# KiCad board RCP-FLEX.kicad_pcb
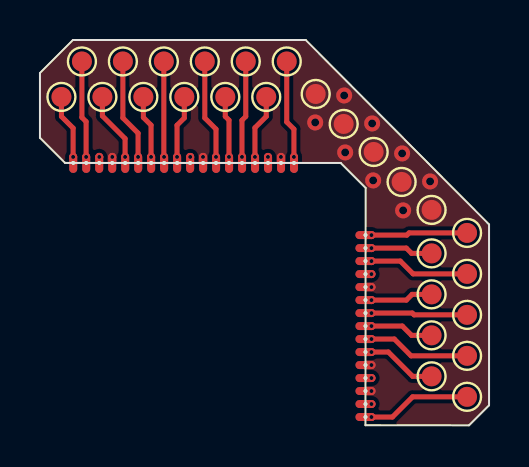
[diagram p0: board, top side]
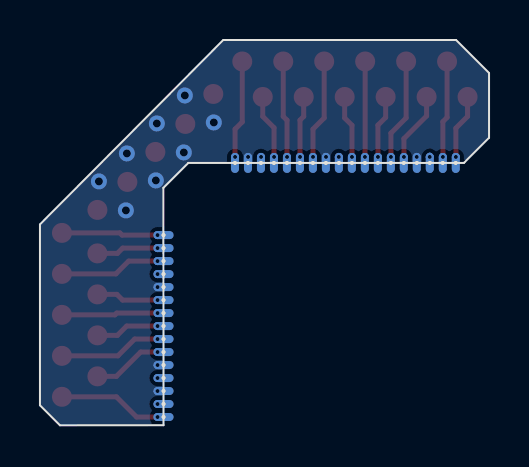
[diagram p1: board, bottom side, seen from below]

Outline 22.47 x 19.27 mm; copper layers: Top, Bottom. Coordinates in mm from the lower left corner of the outline.
Outline path: 1.25,13.13 0,14.38 0,17.62 1.65,19.27 13.3,19.27 22.47,10.05 22.47,1 21.47,0 16.29,0 16.3,11.88 15.05,13.12 1.25,13.12

## Placement (name value [footprint] x y rotation side)
TP1  Cart-3  [TestPoint_RCP-NUS]  1.66 13.12 0 top
TP2  Cart-28  [TestPoint_RCP-NUS]  2.31 13.12 0 top
TP3  3v3  [TestPoint_RCP-NUS]  2.97 13.12 0 top
TP4  GND  [TestPoint_RCP-NUS]  3.62 13.12 0 top
TP5  Cart-4  [TestPoint_RCP-NUS]  4.27 13.12 0 top
TP6  Cart-29  [TestPoint_RCP-NUS]  4.91 13.12 0 top
TP7  Cart-5  [TestPoint_RCP-NUS]  5.56 13.12 0 top
TP8  Cart-30  [TestPoint_RCP-NUS]  6.22 13.12 0 top
TP9  Cart-7  [TestPoint_RCP-NUS]  6.87 13.12 0 top
TP10  3v3  [TestPoint_RCP-NUS]  7.52 13.12 0 top
TP11  GND  [TestPoint_RCP-NUS]  8.16 13.12 0 top
TP12  Cart-32  [TestPoint_RCP-NUS]  8.81 13.12 0 top
TP13  Cart-8  [TestPoint_RCP-NUS]  9.47 13.12 0 top
TP14  Cart-33  [TestPoint_RCP-NUS]  10.12 13.12 0 top
TP15  Cart-10  [TestPoint_RCP-NUS]  10.77 13.12 0 top
TP16  3v3  [TestPoint_RCP-NUS]  11.41 13.12 0 top
TP17  GND  [TestPoint_RCP-NUS]  12.06 13.12 0 top
TP18  Cart-35  [TestPoint_RCP-NUS]  12.72 13.12 0 top
TP19  Cart-11  [TestPoint_RCP-NUS]  16.29 9.52 90 top
TP20  Cart-36  [TestPoint_RCP-NUS]  16.29 8.86 90 top
TP21  Cart-12  [TestPoint_RCP-NUS]  16.29 8.22 90 top
TP22  3v3  [TestPoint_RCP-NUS]  16.29 7.56 90 top
TP23  GND  [TestPoint_RCP-NUS]  16.29 6.92 90 top
TP24  Cart-37  [TestPoint_RCP-NUS]  16.29 6.27 90 top
TP25  Cart-15  [TestPoint_RCP-NUS]  16.29 5.61 90 top
TP26  Cart-40  [TestPoint_RCP-NUS]  16.29 4.97 90 top
TP27  Cart-16  [TestPoint_RCP-NUS]  16.29 4.31 90 top
TP28  Cart-41  [TestPoint_RCP-NUS]  16.29 3.67 90 top
TP29  GND  [TestPoint_RCP-NUS]  16.29 3.02 90 top
TP30  3v3  [TestPoint_RCP-NUS]  16.29 2.36 90 top
TP31  GND  [TestPoint_RCP-NUS]  16.29 1.72 90 top
TP32  3v3  [TestPoint_RCP-NUS]  16.29 1.06 90 top
TP33  Cart-20  [TestPoint_RCP-NUS]  16.29 0.42 90 top
TP34  TestPoint  [TestPoint_Pad_D1.0mm]  1.08 16.42 0 top
TP35  TestPoint  [TestPoint_Pad_D1.0mm]  2.1 18.2 0 top
TP38  TestPoint  [TestPoint_Pad_D1.0mm]  3.12 16.42 0 top
TP39  TestPoint  [TestPoint_Pad_D1.0mm]  4.15 18.2 0 top
TP40  TestPoint  [TestPoint_Pad_D1.0mm]  5.18 16.42 0 top
TP41  TestPoint  [TestPoint_Pad_D1.0mm]  6.2 18.2 0 top
TP42  TestPoint  [TestPoint_Pad_D1.0mm]  7.22 16.42 0 top
TP45  TestPoint  [TestPoint_Pad_D1.0mm]  8.25 18.2 0 top
TP46  TestPoint  [TestPoint_Pad_D1.0mm]  9.28 16.42 0 top
TP47  TestPoint  [TestPoint_Pad_D1.0mm]  10.3 18.2 0 top
TP48  TestPoint  [TestPoint_Pad_D1.0mm]  11.33 16.42 0 top
TP51  TestPoint  [TestPoint_Pad_D1.0mm]  19.6 10.78 0 top
TP51#2  TestPoint  [TestPoint_Pad_D1.0mm]  15.2 15.08 0 top
TP51#3  TestPoint  [TestPoint_Pad_D1.0mm]  16.7 13.67 0 top
TP51#4  TestPoint  [TestPoint_Pad_D1.0mm]  13.8 16.58 0 top
TP51#5  TestPoint  [TestPoint_Pad_D1.0mm]  18.1 12.17 0 top
TP51#6  TestPoint  [TestPoint_Pad_D1.0mm]  12.35 18.2 0 top
TP52  TestPoint  [TestPoint_Pad_D1.0mm]  21.38 9.62 0 top
TP53  TestPoint  [TestPoint_Pad_D1.0mm]  19.6 8.6 0 top
TP54  TestPoint  [TestPoint_Pad_D1.0mm]  21.38 7.58 0 top
TP57  TestPoint  [TestPoint_Pad_D1.0mm]  19.6 6.55 0 top
TP58  TestPoint  [TestPoint_Pad_D1.0mm]  21.38 5.53 0 top
TP59  TestPoint  [TestPoint_Pad_D1.0mm]  19.6 4.5 0 top
TP60  TestPoint  [TestPoint_Pad_D1.0mm]  21.38 3.47 0 top
TP61  TestPoint  [TestPoint_Pad_D1.0mm]  19.6 2.45 0 top
TP66  TestPoint  [TestPoint_Pad_D1.0mm]  21.38 1.42 0 top

## Library data of the parts
TP1-TP35 TP38-TP42 TP45-TP48 TP51 TP51#2-TP51#6 TP52-TP54 TP57-TP61 TP66 = -: Description: test point

## Footprints (pads in the part's own frame, mm; a bottom-side part is the same pattern mirrored in y, then rotated)
TestPoint_Pad_D1.0mm
  round 1 smd: 1(0,0)
TestPoint_RCP-NUS
  oval 0.4x1 hole 0.2: 1(0,0)

## Nets
GND: TP4.1 TP11.1 TP17.1 TP23.1 TP29.1 TP31.1 TP51.1 TP51#2.1 TP51#3.1 TP51#4.1 TP51#5.1
Net-(TP1-Pad1): TP1.1 TP34.1
Net-(TP2-Pad1): TP2.1 TP35.1
Net-(TP12-Pad1): TP12.1 TP45.1
Net-(TP13-Pad1): TP13.1 TP46.1
Net-(TP14-Pad1): TP14.1 TP47.1
Net-(TP15-Pad1): TP15.1 TP48.1
Net-(TP18-Pad1): TP18.1 TP51#6.1
Net-(TP19-Pad1): TP19.1 TP52.1
Net-(TP20-Pad1): TP20.1 TP53.1
Net-(TP21-Pad1): TP21.1 TP54.1
Net-(TP24-Pad1): TP24.1 TP57.1
Net-(TP25-Pad1): TP25.1 TP58.1
Net-(TP26-Pad1): TP26.1 TP59.1
Net-(TP27-Pad1): TP27.1 TP60.1
Net-(TP28-Pad1): TP28.1 TP61.1
Net-(TP33-Pad1): TP33.1 TP66.1
Net-(TP38-Pad1): TP5.1 TP38.1
Net-(TP39-Pad1): TP6.1 TP39.1
Net-(TP40-Pad1): TP7.1 TP40.1
Net-(TP41-Pad1): TP8.1 TP41.1
Net-(TP42-Pad1): TP9.1 TP42.1

Pads without a net: TP3 1; TP10 1; TP16 1; TP22 1; TP30 1; TP32 1

## Via types
v1: diameter 0.4, hole 0.2, Top to Bottom, 33 vias
v2: diameter 0.8, hole 0.4, Top to Bottom, 8 vias

## Routing (per net, layer and track width the routed paths; a pad name or vN(x,y) marks a point on that pad's centre or on a via; arc(x,y) is an arc through that point)
GND: length 1.8
  Top w0.25: TP11.1 8.16,13.42 v1(8.16,13.42) ; TP29.1 v1(16.59,3.02) ; v1(12.06,13.42) 12.06,13.42 TP17.1 ; TP23.1 v1(16.59,6.92) ; v1(3.62,13.42) 3.62,13.42 TP4.1 ; TP31.1 v1(16.59,1.72)
  vias: v2(13.78,15.15) v2(15.22,16.5) v2(15.28,13.65) v2(16.62,15.1) v2(16.68,12.25) v2(18.12,13.6) v2(18.18,10.75) v2(19.53,12.2)
Net-(TP1-Pad1): length 3.5
  Top w0.1: v1(1.66,13.42) 1.66,13.42 TP1.1
  Top w0.25: v1(1.66,13.42) 1.66,14.87 1.08,15.45 TP34.1
Net-(TP2-Pad1): length 5.2
  Top w0.1: v1(2.31,13.42) 2.31,13.42 TP2.1
  Top w0.25: v1(2.31,13.42) 2.31,15.19 2.1,15.4 TP35.1
Net-(TP12-Pad1): length 5.3
  Top w0.1: v1(8.81,13.42) 8.81,13.42 TP12.1
  Top w0.25: v1(8.81,13.42) 8.81,14.81 8.25,15.38 TP45.1
Net-(TP13-Pad1): length 3.4
  Top w0.1: v1(9.46,13.42) 9.47,13.42 TP13.1
  Top w0.25: TP46.1 9.28,15.45 9.46,15.27 v1(9.46,13.42)
Net-(TP14-Pad1): length 5.2
  Top w0.1: v1(10.11,13.42) 10.12,13.42 TP14.1
  Top w0.25: TP47.1 10.3,15.45 10.11,15.26 v1(10.11,13.42)
Net-(TP15-Pad1): length 3.5
  Top w0.1: TP15.1 10.77,13.42 v1(10.76,13.42)
  Top w0.25: TP48.1 11.33,15.45 10.76,14.88 v1(10.76,13.42)
Net-(TP18-Pad1): length 5.2
  Top w0.1: TP18.1 12.72,13.42 v1(12.71,13.42)
  Top w0.25: TP51#6.1 12.35,15.17 12.71,14.81 v1(12.71,13.42)
Net-(TP19-Pad1): length 5.1
  Top w0.1: TP19.1 v1(16.59,9.52)
  Top w0.25: TP52.1 18.47,9.62 18.37,9.52 v1(16.59,9.52)
Net-(TP20-Pad1): length 3.4
  Top w0.1: TP20.1 v1(16.59,8.86)
  Top w0.25: TP53.1 18.6,8.6 18.34,8.86 v1(16.59,8.86)
Net-(TP21-Pad1): length 5.4
  Top w0.1: TP21.1 v1(16.59,8.22)
  Top w0.25: TP54.1 18.68,7.58 18.03,8.22 v1(16.59,8.22)
Net-(TP24-Pad1): length 3.4
  Top w0.1: TP24.1 v1(16.59,6.27)
  Top w0.25: v1(16.59,6.27) 18.34,6.27 18.62,6.55 TP57.1
Net-(TP25-Pad1): length 5.1
  Top w0.1: TP25.1 v1(16.59,5.61)
  Top w0.25: TP58.1 18.72,5.53 18.64,5.61 v1(16.59,5.61)
Net-(TP26-Pad1): length 3.5
  Top w0.1: TP26.1 v1(16.59,4.97)
  Top w0.25: v1(16.59,4.97) 18.14,4.97 18.6,4.5 TP59.1
Net-(TP27-Pad1): length 5.4
  Top w0.1: TP27.1 v1(16.59,4.31)
  Top w0.25: TP60.1 18.58,3.47 17.74,4.31 v1(16.59,4.31)
Net-(TP28-Pad1): length 3.8
  Top w0.1: TP28.1 v1(16.59,3.67)
  Top w0.25: v1(16.59,3.67) 17.44,3.67 18.65,2.45 TP61.1
Net-(TP33-Pad1): length 5.5
  Top w0.1: TP33.1 v1(16.59,0.42)
  Top w0.25: v1(16.59,0.42) 17.64,0.42 18.65,1.42 TP66.1
Net-(TP38-Pad1): length 3.8
  Top w0.1: TP5.1 4.27,13.42 v1(4.26,13.42)
  Top w0.25: v1(4.26,13.42) 4.26,14.34 3.12,15.48 TP38.1
Net-(TP39-Pad1): length 5.4
  Top w0.1: v1(4.91,13.42) 4.91,13.42 TP6.1
  Top w0.25: TP39.1 4.15,15.38 4.91,14.62 v1(4.91,13.42)
Net-(TP40-Pad1): length 3.5
  Top w0.1: TP7.1 5.56,13.42 v1(5.56,13.42)
  Top w0.25: TP40.1 5.18,15.4 5.56,15.02 v1(5.56,13.42)
Net-(TP41-Pad1): length 5.1
  Top w0.1: TP8.1 6.22,13.42 v1(6.21,13.42)
  Top w0.25: TP41.1 6.2,13.44 v1(6.21,13.42)
Net-(TP42-Pad1): length 3.5
  Top w0.1: TP9.1 6.87,13.42 v1(6.86,13.42)
  Top w0.25: TP42.1 7.22,15.38 6.86,15.01 v1(6.86,13.42)
unconnected-(TP3-Pad1): length 0.7
  Top w0.25: v1(2.97,13.42) 2.97,13.42 TP3.1
  Bottom w0.25: TP3.1 2.97,13.52
unconnected-(TP10-Pad1): length 0.3
  Top w0.25: v1(7.52,13.42) 7.52,13.42 TP10.1
unconnected-(TP16-Pad1): length 0.3
  Top w0.25: v1(11.41,13.42) 11.41,13.42 TP16.1
unconnected-(TP22-Pad1): length 0.3
  Top w0.25: TP22.1 v1(16.59,7.56)
unconnected-(TP30-Pad1): length 0.3
  Top w0.25: TP30.1 v1(16.59,2.36)
unconnected-(TP32-Pad1): length 0.3
  Top w0.25: TP32.1 v1(16.59,1.06)

## Copper pours and planes (outline as drawn; the poured copper is in the pictures)
GND on Top, Bottom: -0.3,22.12 31.5,22.02 31.4,-7.17 -0.4,-7.17
